# Altium PCB Pleiades_Frouf.PcbDoc (part 12 of 12)
Units mil, origin at the board's own origin, x right, y up, seen from the top; angles counter-clockwise.
Board outline 12244.09 x 4515.28 mil, 12 copper layers (TOP, GND1, IN1, GND2, POW1, GND3, POW2, GND4, GND5, IN2, GND6, BOT), stack 63.546 mil thick; 1442 components, 702 nets, 4419 pads, 1756 vias.
Unrouted connection lines stored in the file: 1088.
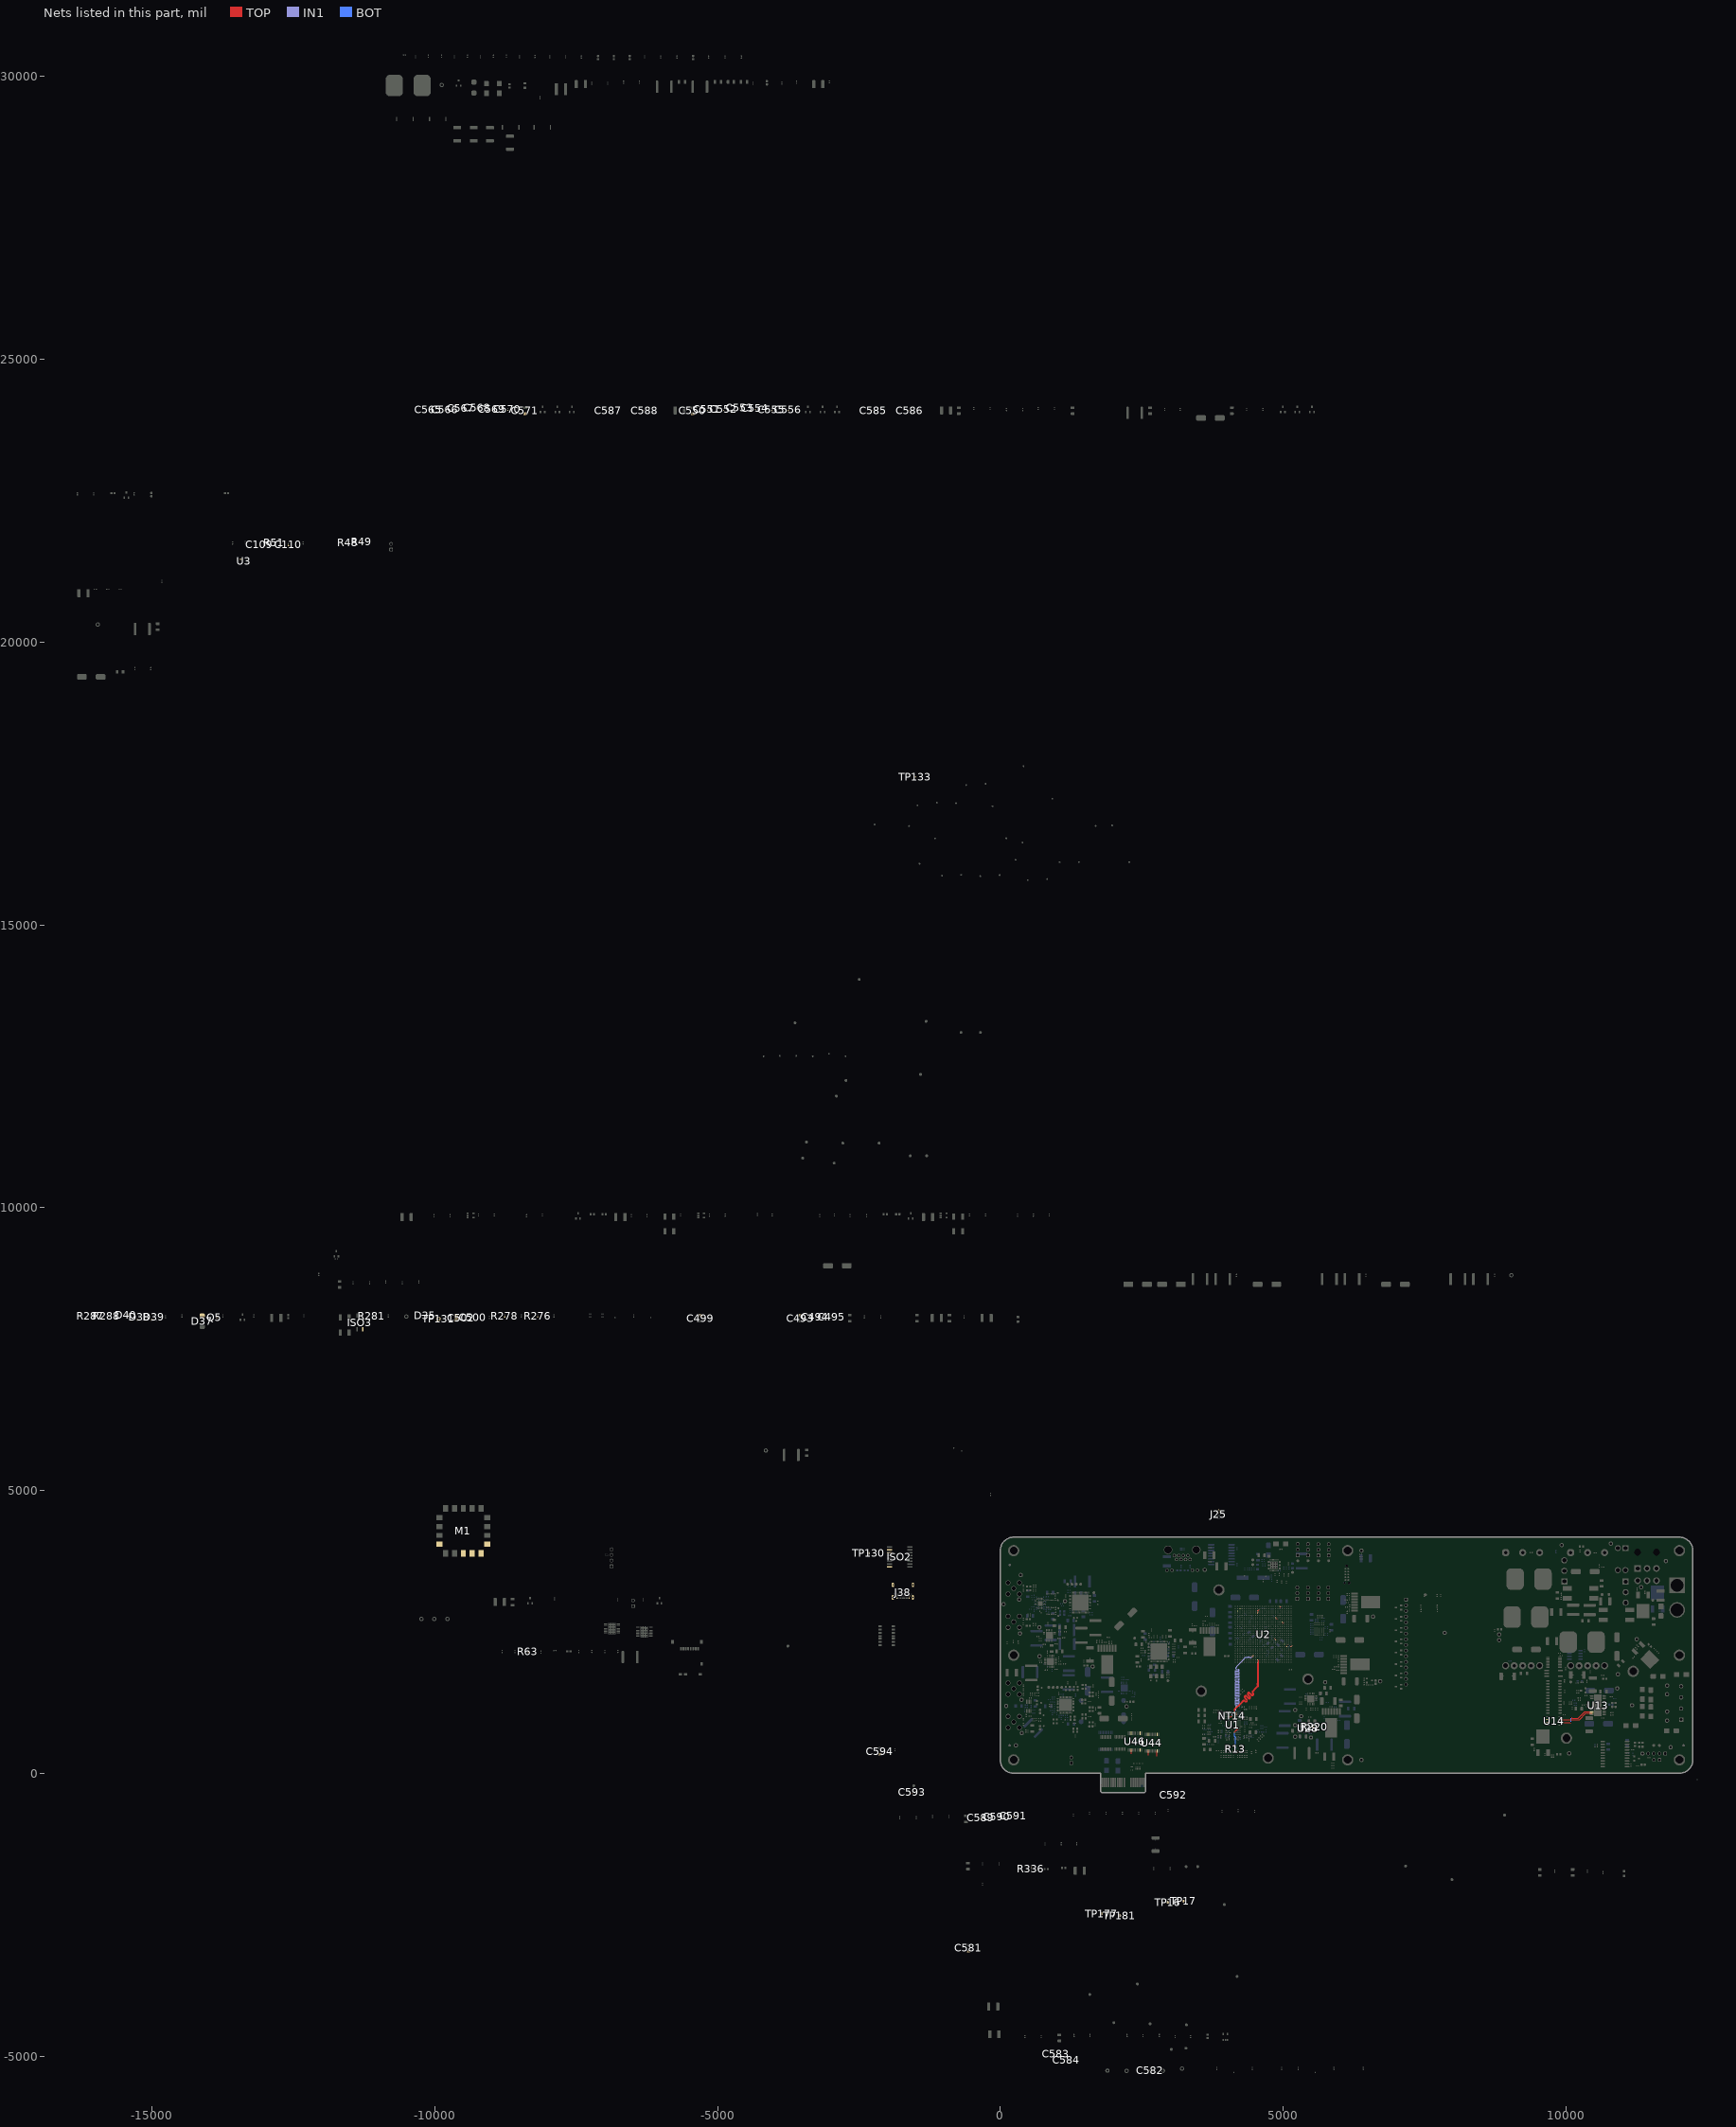
[diagram p22: the nets of this part, all layers, seen from the top]

## Via types
v1: diameter 12/18/18/18/18/18/18/18/18/18/18/12 (per signal layer), hole 6, TOP to BOT, 1113 vias
v2: diameter 20, hole 10, TOP to BOT, 363 vias
v3: diameter 19.68, hole 7.87, TOP to BOT, 110 vias
v4: diameter 25, hole 12, TOP to BOT, 67 vias
v5: diameter 40, hole 20, TOP to BOT, 48 vias
v6: diameter 22, hole 12, TOP to BOT, 27 vias
v7: diameter 12, hole 6, TOP to BOT, 19 vias
v8: diameter 19.68, hole 11.81, TOP to BOT, 9 vias

## Nets (pads, with @x,y where several pads share a name; then routed paths per layer and width w, separated by ;. In a path a pad name is that pad's centre, name@x,y a point inside that pad or via, vN(x,y) a via of type N, cw(c..) or ccw(c..) an arc to the next point about the centre after c; other vN are vias at no path point) (continued)
UDM: NT14.2 U1.D3 U2.J4 | length 3142.2
  TOP w8.89: U1.D3@4047.24,1000 4070.99,1000 4079.18,1008.19 4096.56,1008.19 v1(4097.16,1008.78) ; v1(4456.47,2063.51) 4457.07,2064.11 4457.07,2067.3 U2.J4@4472.44,2082.68
  IN1 w5.75: v1(4097.16,1008.78) 4097.16,1058.59 4163.38,1124.81 4163.38,1148.11 4163.38,1176.75 cw(c4176.25,1176.75) 4176.25,1189.62 4214.58,1189.62 ccw(c4214.58,1202.5) 4214.58,1215.38 4158.9,1215.38 cw(c4158.9,1228.26) 4158.9,1241.13 4214.58,1241.13 ccw(c4214.58,1254.01) 4214.58,1266.89 4158.9,1266.89 cw(c4158.9,1279.76) 4158.9,1292.64 4214.58,1292.64 ccw(c4214.58,1305.52) 4214.58,1318.4 4158.9,1318.4 cw(c4158.9,1331.27) 4158.9,1344.15 4214.58,1344.15 ccw(c4214.58,1357.03) 4214.58,1369.91 4158.9,1369.91 cw(c4158.9,1382.78) 4158.9,1395.66 4214.58,1395.66 ccw(c4214.58,1408.54) 4214.58,1421.42 4158.9,1421.42 cw(c4158.9,1434.29) 4158.9,1447.17 4214.58,1447.17 ccw(c4214.58,1460.05) 4214.58,1472.92 4158.9,1472.92 cw(c4158.9,1485.8) 4158.9,1498.68 4214.58,1498.68 ccw(c4214.58,1511.56) 4214.58,1524.43 4158.9,1524.43 cw(c4158.9,1537.31) 4158.9,1550.19 4214.58,1550.19 ccw(c4214.58,1563.07) 4214.58,1575.94 4158.9,1575.94 cw(c4158.9,1588.82) 4158.9,1601.7 4214.58,1601.7 ccw(c4214.58,1614.57) 4214.58,1627.45 4158.9,1627.45 cw(c4158.9,1640.33) 4158.9,1653.21 4214.58,1653.21 ccw(c4214.58,1666.08) 4214.58,1678.96 4158.9,1678.96 cw(c4158.9,1691.84) 4158.9,1704.72 4214.58,1704.72 ccw(c4214.58,1717.59) 4214.58,1730.47 4158.9,1730.47 cw(c4158.9,1743.35) 4158.9,1756.22 4214.58,1756.22 ccw(c4214.58,1769.1) 4214.58,1781.98 4158.9,1781.98 cw(c4158.9,1794.86) 4158.9,1807.73 4210.33,1807.73 ccw(c4210.33,1820.61) 4210.33,1833.49 4176.25,1833.49 cw(c4176.25,1846.37) 4163.38,1846.37 4163.38,1864.08 4203.83,1904.53 4312.7,2013.41 4312.7,2028.29 4331.9,2047.48 4350.63,2047.48 4356.87,2053.72 4384.01,2053.72 4386.08,2055.79 4394.52,2055.79 4399.66,2050.65 4412.04,2050.65 4417.73,2044.96 4437.92,2044.96 v1(4456.47,2063.51)
UDQS_N: U1.C7 U2.L1 | length 1498.1
  TOP w7.01: U1.C7@4173.23,1031.5 4155.6,1049.12 4140.83,1063.9 4140.83,1135.45 4256.33,1250.95 4290.65,1285.27 cw(c4308.7,1267.23) 4326.75,1285.27 4335.81,1276.21 ccw(c4345.36,1285.76) 4354.91,1276.21 ccw(c4345.36,1285.76) 4354.91,1295.31 4319.93,1330.29 cw(c4337.98,1348.34) 4319.89,1366.34 4319.93,1366.38 cw(c4337.98,1348.34) 4356.03,1366.38 4391.01,1331.41 ccw(c4400.56,1340.96) 4410.11,1331.41 ccw(c4400.56,1340.96) 4410.11,1350.51 4375.13,1385.49 cw(c4393.18,1403.53) 4375.08,1421.53 4375.13,1421.58 cw(c4393.18,1403.53) 4411.23,1421.58 4446.2,1386.6 ccw(c4455.76,1396.15) 4465.31,1386.6 ccw(c4455.76,1396.15) 4465.31,1405.7 4456.28,1414.73 ; 4456.27,1414.74 cw(c4474.29,1432.82) 4456.29,1450.91 4521.5,1516.13 4554.53,1549.15 4554.53,1554.41 4554.53,1557.92 ccw(c4546.02,1557.92) 4546.02,1566.43 4544.87,1566.43 cw(c4544.87,1574.93) 4544.87,1583.44 4546.02,1583.44 ccw(c4546.02,1591.95) 4554.53,1591.95 4554.53,1633.44 4554.53,1955.11 4553.23,1956.41 4553.23,1962.52 U2.L1@4551.18,1964.57
UDQS_P: U1.B7 U2.L2 | length 1499.2
  TOP w7.01: U1.B7@4173.23,1062.99 4171.97,1061.73 4159.98,1061.73 4152.84,1068.87 4152.84,1130.47 4264.82,1242.45 4299.15,1276.78 cw(c4308.7,1267.23) 4318.25,1276.78 4327.32,1267.71 ccw(c4345.36,1285.76) 4363.36,1267.67 4363.41,1267.71 ccw(c4345.36,1285.76) 4363.41,1303.81 4328.43,1338.79 cw(c4337.98,1348.34) 4328.43,1357.89 cw(c4337.98,1348.34) 4347.53,1357.89 4382.51,1322.91 ccw(c4400.56,1340.96) 4418.56,1322.86 4418.61,1322.91 ccw(c4400.56,1340.96) 4418.61,1359 4383.63,1393.98 cw(c4393.18,1403.53) 4383.63,1413.08 cw(c4393.18,1403.53) 4402.73,1413.08 4437.71,1378.11 ccw(c4455.76,1396.15) 4473.76,1378.06 4473.8,1378.11 ccw(c4455.76,1396.15) 4473.8,1414.2 4464.74,1423.27 cw(c4474.29,1432.82) 4464.74,1442.37 4530,1507.63 4566.55,1544.18 4566.55,1997.71 4562.36,2001.89 4553.23,2001.89 U2.L2@4551.18,2003.94
USB_CTS: M1.3 U2.AC9
USB_GND: C493.2 C494.2 C495.2 C499.2 C500.2 C502.1 D35.4 D37.2 D38.1 D39.1 D40.2 ISO2.2 ISO2.8 ISO3.2 J38.A1 J38.A12 J38.B1 J38.B12 J38.SH1 J38.SH2 J38.SH3 J38.SH4 R287.2 R288.2 TP131.1
USB_RTS: M1.4 U2.AF8 | length 25.3
  TOP w6: U2.AF8@5141.73,2240.16 5159.34,2257.76 v1(5159.34,2258.15)
USB_RX: M1.5 U2.AD8 | length 30.4
  TOP w6: U2.AD8@5062.99,2240.16 5064.77,2240.16 v1(5085,2260.38)
USB_TX: M1.6 U2.W11 | length 29.7
  TOP w6: v1(4846.22,2379.74) 4846.22,2378.96 4866.14,2359.04 U2.W11@4866.14,2358.27
USBVDDO_14: C500.1 ISO2.3 R276.1 R278.1 TP130.1
USM0_12: U13.13 U14.7 | length 606.1
  TOP w8: U14.7@9896.3,950 10241.49,950 10351.62,1060.14 U13.13@10456.79,1060.14
USM0_ISO: U2.L24 U14.2 | length 32.5
  TOP w6: U2.L24@4551.18,2870.08 4569.92,2888.82 v1(4569.92,2894.8)
USM1_12: U13.12 U14.6 | length 701.8
  TOP w8: U14.6@9896.3,900 v1(10090.08,900) ; v1(10090.08,985) 10107.73,967.36 10219.34,967.36 10337.7,1085.73 U13.12@10456.79,1085.73
  BOT w8: v1(10090.08,900) v1(10090.08,985)
USM1_ISO: U2.L23 U14.3 | length 24.2
  TOP w6: U2.L23@4551.18,2830.71 4551.18,2831.33 4563.5,2843.65 v1(4563.5,2849.76)
VBATT: C109.1 R48.1 R51.1 TP16.1 U2.W21 | length 28.6
  TOP w6: U2.W21@4866.14,2751.97 4866.14,2750.04 v1(4885,2731.18)
VBUS_DETECT_14: M1.18 Q5.3 R281.2 TP133.1
VDD1_PCI_1: C550.1 C551.1 C552.1 C553.1 C554.1 C555.1 C556.1 TP177.1 U44.3 U44.9 | length 161.6
  TOP w6: 2616.02,321.09 U44.3@2616.02,391.55 ; 2769.57,300.43 U44.9@2769.57,391.55
VDD1_PCI_2: C581.1 C582.1 C583.1 C584.1 C585.1 C586.1 C587.1 U46.3 U46.9 | length 70.1
  TOP w6: 2315.6,342.25 U46.3@2315.6,412.36
VDD2_PCI_1: C565.1 C566.1 C567.1 C568.1 C569.1 C570.1 C571.1 TP181.1 U44.12 U44.18
VDD2_PCI_2: C588.1 C589.1 C590.1 C591.1 C592.1 C593.1 C594.1 R336.2 U46.12 U46.18
VFS: C110.1 R49.1 TP17.1 U2.AB19 | length 28.3
  TOP w6: U2.AB19@4984.25,2673.23 4986.77,2673.23 v1(5005,2655)
VTT_PG: R220.2 U2.AA26 U28.9 | length 81.2
  TOP w6: U2.AA26@4944.88,2948.82 4963.7,2930 v1(4964.33,2930) ; U28.9@5490.11,817.23 5491.84,818.96 5538.63,818.96 R220.2@5541.98,822.3
WDT_IN: U2.B24 U3.4
WDTO: J25.2 R63.1 U2.C25
ZQ_6: R13.2 U1.L8 | length 371.9
  TOP w6: v1(4138.44,719.8) 4138.44,732.86 4171.23,765.65 4178.98,765.65 4190.98,777.66 4202.86,777.66 U1.L8@4204.72,779.53
  BOT w6: v1(4138.44,719.8) 4138.44,655.34 4156.4,637.38 4156.4,499.46 4154.46,497.52 R13.2@4154.46,454.84
pads on no net: CX1.1 CX1.2 CX2.1 CX2.2 CX3.1 CX3.2 CX4.1 CX4.2 CX5.1 CX5.2 CX6.1 CX6.2 CX7.1 CX7.2 CX8.1 CX8.2 CX9.1 CX9.2 CX10.1 CX10.2 CX11.1 CX11.2 CX12.1 CX12.2 CX13.1 CX13.2 CX14.1 CX14.2 CX15.1 CX15.2 CX16.1 CX16.2 CX17.1 CX17.2 CX18.1 CX18.2 CX19.1 CX19.2 D35.2 D57.2 DX1.1 DX1.2 DX2.1 DX2.2 DX3.1 DX3.2 DX4.1 DX4.2 DX4.3 F1. FBX1.1 FBX1.2 FBX2.1 FBX2.2 FD1.1 FD2.1 FD3.1 FD4.1 FD5.1 FD6.1 J1.5 J1.A J1.B J1.C J10.- J26.0 J27. J36.SM1 J36.SM2 J36.SM3 J36.SM4 J38. J38.A2 J38.A3 J38.A8 J38.A10 J38.A11 J38.B2 J38.B3 J38.B8 J38.B10 J38.B11 J39.0 J39.9 J39.10 J40. J40.B10 J40.B12 L13. L14. LX1.1 LX1.2 LX2.1 LX2.2 MT1.1 MT6.1 MT7.1 MT8.1 NT30.2 NT31.2 NT32.2 NT33.2 NT34.2 NT35.2 NT36.2 NT37.2 RX1.1 RX1.2 RX2.1 RX2.2 RX3.1 RX3.2 RX4.1 RX4.2 RX5.1 RX5.2 RX6.1 RX6.2 RX7.1 RX7.2 RX8.1 RX8.2 RX9.1 RX9.2 RX10.1 RX10.2 RX11.1 RX11.2 RX12.1 RX12.2 RX13.1 RX13.2 RX14.1 RX14.2 RX15.1 RX15.2 RX16.1 RX16.2 RX17.1 RX17.2 RX18.1 RX18.2 RX19.1 RX19.2 RX20.1 RX20.2 RX21.1 RX21.2 RX22.1 RX22.2 RX23.1 RX23.2 RX24.1 RX24.2 RX25.1 RX25.2 SW1.3 SW2.2 SW3.2 SW4.1 SW5.2 T1.4 T1.5 T1.12 T1.13 TPX1.1 TPX2.1 TPX3.1 TPX4.1 U1.J1 U1.J9 U1.L1 U1.L9 U1.M7 U2.A5 U2.A6 U2.A7 U2.A12 U2.A21 U2.A22 U2.A23 U2.AA1 U2.AA2 U2.AA3 U2.AA4 U2.AA5 U2.AA7 U2.AA8 U2.AA9 U2.AA12 U2.AA14 U2.AA15 U2.AA18 U2.AA19 U2.AA22 U2.AB1 U2.AB4 U2.AB5 U2.AB6 U2.AB7 U2.AB8 U2.AB9 U2.AB10 U2.AB15 U2.AB17 U2.AB18 U2.AB26 U2.AC1 U2.AC2 U2.AC3 U2.AC4 U2.AC5 U2.AC7 U2.AC11 U2.AC12 U2.AC14 U2.AC15 U2.AC17 U2.AC19 U2.AC20 U2.AC22 U2.AC24 U2.AC25 U2.AC26 U2.AD1 U2.AD3 U2.AD4 U2.AD5 U2.AD6 U2.AD7 U2.AD9 U2.AD14 U2.AD15 U2.AD21 U2.AD24 U2.AD26 U2.AE1 U2.AE2 U2.AE3 U2.AE5 U2.AE13 U2.AE15 U2.AE19 U2.AE21 U2.AE23 U2.AF2 U2.AF4 U2.AF5 U2.AF6 U2.AF13 U2.AF14 U2.AF15 U2.AF16 U2.AF19 U2.AF20 U2.AF21 U2.AF24 U2.B6 U2.B12 U2.B22 U2.B23 U2.B25 U2.B26 U2.C5 U2.C7 U2.C12 U2.C19 U2.C21 U2.C24 U2.C26 U2.D12 U2.D13 U2.D15 U2.D22 U2.D23 U2.D24 U2.D26 U2.E10 U2.E12 U2.E14 U2.E18 U2.E23 U2.E24 U2.E25 U2.E26 U2.F7 U2.F8 U2.F10 U2.F12 U2.F13 U2.F14 U2.F18 U2.F22 U2.F24 U2.F26 U2.G8 U2.G9 U2.G11 U2.G13 U2.G17 U2.G19 U2.G20 U2.G21 U2.G22 U2.G23 U2.G24 U2.G25 U2.G26 U2.H9 U2.H10 U2.H12 U2.H13 U2.H16 U2.H18 U2.H19 U2.H20 U2.H21 U2.H22 U2.H24 U2.H26 U2.J11 U2.J12 U2.J13 U2.J16 U2.J17 U2.J20 U2.J22 U2.J23 U2.J24 U2.J25 U2.J26 U2.K12 U2.K14 U2.K15 U2.K18 U2.K20 U2.K21 U2.K22 U2.K24 U2.K26 U2.L3 U2.L4 U2.L6 U2.L7 U2.L18 U2.L20 U2.L21 U2.L25 U2.L26 U2.M4 U2.M6 U2.M8 U2.M9 U2.M10 U2.M18 U2.M19 U2.M24 U2.M26 U2.N3 U2.N4 U2.N5 U2.N8 U2.N9 U2.N17 U2.N18 U2.N22 U2.N23 U2.N25 U2.N26 U2.P1 U2.P3 U2.P5 U2.P8 U2.P10 U2.P24 U2.R9 U2.R10 U2.T1 U2.T3 U2.T9 U2.T10 U2.T22 U2.T23 U2.U1 U2.U2 U2.U4 U2.U5 U2.U7 U2.U8 U2.U9 U2.U12 U2.U13 U2.U15 U2.U19 U2.V1 U2.V3 U2.V4 U2.V5 U2.V6 U2.V7 U2.V8 U2.V10 U2.V11 U2.V12 U2.V13 U2.V14 U2.V15 U2.V17 U2.V20 U2.V22 U2.W1 U2.W2 U2.W3 U2.W5 U2.W7 U2.W8 U2.W9 U2.W10 U2.W12 U2.W14 U2.W16 U2.W22 U2.Y1 U2.Y3 U2.Y5 U2.Y6 U2.Y8 U2.Y9 U2.Y10 U2.Y18 U2.Y20 U2.Y21 U2.Y22 U4.6 U4.7 U4.9 U4.10 U4.13 U4.33 U4.49 U4.50 U4.51 U4.52 U4.53 U4.54 U4.55 U4.56 U4.57 U4.58 U4.59 U4.60 U4.61 U4.62 U4.63 U4.64 U5.A4 U5.C3 U5.C4 U5.D3 U5.D4 U5.E3 U5.E4 U5.F2 U5.F3 U5.F4 U5.G2 U8.22 U18.1 U19.1 U20.1 U40.15 U41.1 U41.2 U41.37 U41.38 U42.14 U42.15 U45.7 U46.5 U46.6 U47.6 U47.12 U47.15 Y1.1
copper on no net: | length 1676.8
  TOP w4.33: v1(4138.22,2414.61) 4155.19,2397.64 4157.48,2397.64 ; v1(4175.08,2418.27) 4176.22,2418.27 4196.85,2397.64 ; 4236.22,2397.64 4236.22,2398.73 v1(4255.84,2418.35) ; 4275.59,2397.64 4292.95,2415 v1(4293.62,2415) ; v1(4293.62,2340.67) 4293.62,2340.24 4314.96,2318.9 ; 4354.33,2318.9 4356.8,2318.9 v1(4374.44,2336.54) ; 4393.7,2594.49 4393.7,2597.64 v1(4411.06,2615) ; 4433.07,2555.12 4433.07,2558.43 v1(4454.49,2579.84)
  TOP w6: v7(88.48,464.09) 102.37,464.09 130.4,492.13 165.35,492.13 ; v7(88.48,3674.09) 112.66,3674.09 120.11,3681.54 165.35,3681.54 ; 231.29,2311.4 231.29,2199.54 236.22,2194.61 236.22,2166.61 ; 2151.57,-161.42 2151.57,-72.7 v7(2151.57,-67.74) ; 2309.06,-161.42 2309.06,-72.7 v7(2309.05,-67.74) ; 4084.87,2178.82 4140.08,2178.82 4157.48,2161.42 ; 4101.61,2122.98 4102.55,2122.05 4157.48,2122.05 ; v1(4140.08,2218.01) 4157.3,2200.79 4157.48,2200.79 ; 4196.85,2161.42 4214.25,2178.82 v1(4218.82,2178.82) ; 4236.22,2122.05 4236.22,2122.94 v1(4255.84,2142.56) ; 4236.22,2200.79 4236.22,2201.44 v1(4255.84,2221.06) ; 4236.22,2673.23 4239.39,2673.23 4248.33,2682.16 4255.69,2682.16 v1(4256.84,2683.31) ; 4314.96,2633.86 4332.6,2651.5 v1(4336.3,2651.5) ; 4354.33,2200.79 4374.04,2220.49 v1(4374.44,2220.49) ; 4393.7,2240.16 4395.37,2240.16 v1(4415.59,2260.38) ; 4472.44,2594.49 4472.44,2595.9 v1(4487.51,2610.97) ; v1(4493.23,2633.86) 4511.81,2633.86 ; 4551.18,2633.86 4569.92,2615.12 v1(4569.92,2610.97) ; 4590.55,2633.86 4590.55,2631.16 v1(4606.21,2615.51) ; 4590.55,2673.23 4606.63,2657.15 v1@4606.63,2651.5 ; 4629.92,2594.49 4644.57,2579.84 v1(4649.63,2579.84) ; 4629.92,2633.86 4648.16,2615.62 v1(4648.16,2615.51) ; 4629.92,2791.34 4631.06,2791.34 v1(4653.46,2813.74) ; 4629.92,2830.71 4648.98,2849.76 v1@4649.63,2849.76 ; 4748.03,2791.34 v1(4765,2774.37) v1@4765,2770.17 ; 4748.03,2830.71 4768.74,2810 v1(4769.8,2810) ; 4826.77,2594.49 4828.23,2594.49 v1(4850,2572.72) ; v1(5001.22,2849.76) 5003.31,2849.76 5023.62,2870.08 ; v1@5045,2890 5045,2888.07 5062.99,2870.08 ; 5062.99,2948.82 5085,2970.83 v1(5085,2975)
  BOT w6: v7(88.48,494.09) 115.4,494.09 117.37,492.13 165.35,492.13 ; v7(88.48,3704.09) 105.11,3704.09 127.66,3681.54 165.35,3681.54
  other v1: 2264.42,998.53 4606.63,2654.49 4653.46,2850.82 5045,2889.04
  other v2: 12007.87,156.22 11967.87,166.94 12047.87,166.94 11938.59,196.22 12077.16,196.22 11927.87,236.22 12087.87,236.22 11938.84,276.33 12077.16,276.22 11967.87,305.5 12047.87,305.5 12007.87,316.22 12007.87,2006.61 11967.87,2017.33 12047.87,2017.33 11938.59,2046.61 12077.16,2046.61 11927.87,2086.61 12087.87,2086.61 11938.84,2126.72 12077.16,2126.61 11967.87,2155.9 12047.87,2155.9 12007.87,2166.61 236.22,3857.01 12007.87,3857.01 196.22,3867.73 276.22,3867.73 11967.87,3867.73 12047.87,3867.73 166.94,3897.01 305.5,3897.01 11938.59,3897.01 12077.16,3897.01 156.22,3937.01 316.22,3937.01 11927.87,3937.01 12087.87,3937.01 167.19,3977.12 305.5,3977.01 11938.84,3977.12 12077.16,3977.01 196.22,4006.29 276.22,4006.29 11967.87,4006.29 12047.87,4006.29 236.22,4017.01 12007.87,4017.01

## Polygon pours and split planes (outlines as drawn)
+5V0A on POW1 "+5V0A_L05_P019" (solid, pour order 19): 582.32,3118.65 681.38,3019.6 681.38,3014.15 740.35,3014.15 1030.6,2723.91 1030.6,2456.16 1140.12,2346.63 1140.12,2099.23 973.39,2099.23 896.84,2175.77 847.61,2175.77 641.79,966.28 293.18,1004.92 302.2,2937.63 472.01,3107.43
-6V on POW1 "-6V_L05_P018" (solid, pour order 18): 1091.44,1558.92 1092.57,1557.79 1092.57,1396.33 1285.29,1396.33 1303.73,1377.89 1303.73,1326.04 1413.17,1216.6 1419.14,1222.56 1483.3,1222.56 1483.3,1241.84 1612.52,1371.06 1619.52,1364.06 1704.67,1364.06 1704.67,1132.92 1717.98,1119.61 1816.5,1119.61 1816.5,1315.01 1870.28,1368.79 2053.77,1368.79 2053.77,1186.76 2130.56,1109.97 2282.42,1109.97 2352.44,1179.99 2206.56,1325.88 2206.56,1488.71 2110.22,1585.05 2108.96,1583.78 1312.23,1583.78
+3V3A on POW1 "+3V3A_L05_P017" (solid, pour order 17): 1162.94,3485 1160.95,3483.01 1160.95,3295.71 1073.03,3295.71 980,3202.69 980,3078.46 973.84,3078.46 908,3012.61 928,2992.61 928,2944.06 933.54,2944.06 1153.44,2724.17 1215.94,2724.17 1215.94,2562.01 1104.94,2451.01 1104.94,2168.86 1250.19,2023.61 1256.1,2023.61 1256.1,1934.28 1258.36,1932.02 1223.16,1896.82 978.41,1896.82 978.41,2030.85 833.19,2176.07 810.84,2153.72 552.89,2153.72 552.89,2108.48 398,1953.59 398,1790 435,1790 631.5,1593.5 631.5,1570.57 657.49,1570.57 707.5,1520.56 703,1516.06 703,1021.45 723.79,1000.66 1077.5,1000.66 1077.5,1095.1 1125.63,1143.23 1070,1198.86 1070,1465.66 987.7,1465.66 950.85,1502.51 1066.57,1618.23 1066.57,1664.76 1288.61,1664.76 1455.63,1831.78 1528.32,1831.78 1528.32,2130.24 1377.61,2280.95 1377.61,3485
+1V2D on POW1 "+1V2D_L05_P015" (solid, pour order 15): 3211.71,1581.42 3349.95,1443.18 6855.36,1443.18 6855.36,3899.64 6600,4155 6595,4150 3904,4150 3904,3476.31 3869.6,3510.72 3211.71,3510.72
+VDDR on POW1 "+VDDR_L05_P001" (solid, remove dead copper, pour order 1): 4666.31,1922.85 4568.34,2262.81 4118.11,2252.5 4109.52,1922.85 3551.79,1566.91 3336.46,1564.15 3220,55 4995,55 5205,55 5377.46,1438.13 4802.18,1922.85
+3V3_PCI on POW1 "+3V3_PCI_L05_P013" (solid, pour order 13): 1217.95,687.78 1118.31,-261.6 3220,-261.6 3155,-196.6 3155,710.4
+24V_MOT on POW1 "+24V_MOT_L05_P004" (solid, pour order 4): 12365,635 12365,1912.94 11814.31,1912.94 11736.01,1991.24 11733.38,2161.14 11438.8,2444.89 11132.83,2451.14 11002.4,2574.4 9822.85,2585.82 9728.37,2517.29 9722.14,2170.48 9781.35,2111.28 9781.35,566.18 9876.8,446.79 10093.48,435.27 10293.2,635 10528.71,635 10574.36,686.29 11122.51,686.29 11173.8,635
+5V_CAN on POW1 "+5V_CAN_L05_P007" (solid, pour order 7): 12340,570 12333.65,576.35 11158.86,576.35 11099.92,628.11 10930,628.11 10930,-115 12340,-115
+3V3D on POW2 "+3V3D_L07_P014" (solid, pour order 14): 2312.64,3213.89 5984.38,3213.89 6084.98,2631.26 6849.08,2612.4 6849.08,3215.94 9016,3213.89 9016,60.85 2420.27,60.85
+1V8D on POW2 "TGA" (solid, pour order 22): 2027.97,3218.53 5893.8,3218.53 6106.66,2609.59 6836.9,2609.59 6836.9,3536.76 3902.5,3536.76 2818.3,3527.38 2027.97,3673.16 951.31,3645 951.31,367.02 988.66,329.67 1975.16,329.67
+5V_MOT on POW2 "+5V_MOT_L07_P010" (solid, pour order 10): 12350,1909.09 11828.11,1909.09 11744.21,1992.99 11729.99,2163.32 11477.26,2403.89 11185.17,2406.59 11006.95,2579.58 9827.1,2582.28 9730.99,2503.38 9725.08,2171.09 9790,2106.18 9790,550.72 9889.6,461.89 10091.13,461.89 10302.54,634.35 10536.43,635 10586.33,682.61 11116.92,676.01 11185.17,634.63 12350,635
+5V_CAN on POW2 "+5V_CAN_L07_P009" (solid, pour order 9): 12333.65,576.35 12325.77,568.48 11158.86,576.35 11099.92,628.11 10930,628.11 10930,-60 10930,-70 12333.65,-70
+VTT on POW2 "+VTT_L07_P003" (solid, pour order 3): 3443.65,1264.83 3443.65,45 3508.68,-50 5284.55,-50 5284.55,1228.85 4338.88,1587.36
GND on GND1 "NONET_L01_P-001" (solid, pour order 0): 0,0 1118.31,0 1191.21,744.37 3190.34,746.67 3418.9,0 10868.61,0 10868.61,678.41 10587.34,689.93 10528.71,644.28 10288.29,644.28 10109.58,465.57 9865.87,456.2 9778.18,566.18 9778.18,2092.02 9715.15,2162.5 9719.02,2511.35 9778.18,2589.75 10414.71,2580.06 10414.73,2589.75 10414.89,2657.1 10418.75,4260 0,4173.23
PCI_GND on GND1 "PCI_GND_L02_P012" (solid, pour order 12): 1239.05,580 1239.05,402.87 1115,-420 3420,-420 3115,-115 3115,651.27 1290.46,651.27
GND_MOT on GND1 "GND_MOT_L02_P006" (solid, pour order 6): 9781.35,2135.98 9756.16,2166.87 9753.34,2491.66 9819.43,2579.98 11002.53,2579.46 11137.31,2446.45 11432.81,2447.97 11738.69,2156.4 11756.55,1975.26 11855.05,1912.16 12329.71,1912.16 12329.71,1910.42 12329.71,629.28 11180.51,629.28 11122.51,687.28 10579.47,687.28 10521.48,629.28 10273.66,629.28 10106.4,447.71 9874.36,456.2 9781.35,535.54
GND_RAW on GND1 "GND_RAW_L02_P011" (solid, pour order 11): 12370,4280 12370,1919.96 11817.09,1919.96 11809.59,1912.45 11756.08,1965.96 11756.08,2139.01 11489.74,2405.35 11182.24,2405.35 11182.24,2815 11182.24,2939.58 11090.05,2940.48 10953.27,2941.82 10950.46,3469.25 10808.25,3467.74 10809.49,3604.94 10808.25,4260
GND_CAN on GND1 "GND_CAN_L02_P008" (solid, pour order 8): 10880,-90 12410,-70 12410,512.16 12355,635 12329.71,635 11188.1,620.7 11121.16,687.64 10865.92,687.64
GND_MOT on GND3 "GND_MOT_L06_P005" (solid, pour order 5): 8980,1895 8905,1820 8879.67,-32.97 10430,-30 10430,857 10862.02,857 11022.22,696.26 12300,696.26 12440,730.89 12440,1913.41
GND on GND5 "GND_L09_P002" (solid, pour order 2): 3695,2340 3760,2275 3760,405 4930,405 4935,410 4830,515 4830,2410
+1V8D on BOT "+1V8D_L12_P016" (solid, pour order 16): 3227.32,3361.75 3227.32,2114.49 4087.09,1909.37 6521.53,1852.02 6925.48,3552.24 6327.73,4150 3915.67,4150 3915,4150.67 3915,3504.5 3248.96,3504.5 3242.74,3510.72

## Keep-outs
Keep-Out Layer:
  lines w98.43: 0,3937.01 cw(c236.22,3937.01) 236.22,4173.23 12007.87,4173.23 cw(c12007.87,3937.01) 12244.09,3937.01 ; 0,3949.51 0,236.22 ccw(c236.22,236.22) 236.22,0 1619.88,0 1664.88,45 ; 2692.8,0 3179.13,0 9064.96,0 12007.87,0 ccw(c12007.87,236.22) 12244.09,236.22 12244.09,3949.51
  lines w125: 2820,4110 2820,3485 3915,3485 3915,4160.67 ; 9788.57,1039.24 9790,1040.67 9790,2066.41 9790,2091.67 9790,2175 9754.7,2210.3 9754.7,2484.7 9850,2580 11005,2580 11112.98,2472.02 11420.43,2472.02 11737.34,2155.12 11737.34,1984.7 11809.59,1912.45 12181.08,1912.45 ; 9790,1023.43 9790,971.12 ; 10865.92,0 10865.92,687.64 ; 12246.78,635 11769.32,635 11173.8,635 11121.16,687.64 10865.92,687.64 ; 9790,971.12 9790,971.12 ; 9790,971.12 9790,672.9 9790,525.65 9861.02,454.63 10098.64,454.63 10288.29,644.28 10535.75,644.28 10579.11,687.64 10865.92,687.64

## Silkscreen, mask and mechanical layers (free items; w line width, h text height)
Top Overlay:
  drawing of 14 lines, arcs and shapes, not listed
  text ".Project_Name" at 6688.12,825.04 h80
  text "E" at 7554.74,575.37 h240
  text "2024 / Revision .Project_Revision" at 6656.93,560.04 h120
  text "X" at 6433.48,558.89 h240
  text "o" at 7304.66,482.38 h360
  text ".Project_Designer2 / .Project_Designer1 / www.raesangur.com" at 6656.93,304.93 h40
  text ".Project_Designer4 / .Project_Designer3 / www.github.com/freder202" at 6656.93,56.9 h40
Board Outline:
  lines w5: 1700,0 236.22,0 cw(c236.22,236.22) 0,236.22 0,3937.01 cw(c236.22,3937.01) 236.22,4173.23 12007.87,4173.23 cw(c12007.87,3937.01) 12244.09,3937.01 12244.1,236.22 cw(c12007.87,236.22) 12007.87,0 2650,0
Title:
  drawing of 47 lines, arcs and shapes, not listed
  text "1" at -3661.06,9684.09 h100
  text "2" at -880.4,9684.09 h100
  text "3" at 1898.94,9684.09 h100
  text "4" at 4695.61,9684.09 h100
  text "5" at 7478.95,9684.09 h100
  text "6" at 10269.6,9684.09 h100
  text "7" at 13069.6,9684.09 h100
  text "8" at 15849.6,9684.09 h100
  text "A" at -4912.4,7826.09 h100
  text "A" at 17087.6,7826.09 h100
  text "B" at -4912.4,3896.09 h100
  text "B" at 17087.6,3896.09 h100
  text "C" at -4912.4,-23.91 h100
  text "C" at 17087.6,-23.91 h100
  text "D" at -4912.4,-3953.91 h100
  text "D" at 17087.6,-3953.91 h100
  text "ALL DIMENSIONS ARE IN THOUSANDS OF INCHES (MILS)" at 14097.6,-4275.91 h60
  text "TITLE:" at 14012.6,-4430.91 h45
  text "PASCAL-EMMANUEL LACHANCE" at 12497.6,-4445.91 h60
  text "FREDERIC BILODEAU" at 12697.76,-4570.91 h60
  text "PLEIADES" at 14562.6,-4680.91 h150
  text "DATE:" at 12512.6,-5030.91 h45
  text "PART NO.:" at 14012.6,-5030.91 h45
  text "REV:" at 16112.6,-5030.91 h45
  text ".Project_Revision" at 16382.6,-5140.91 h60
  text ".PRINT_DATE" at 12562.6,-5150.91 h70
  text "FILE NAME:" at 12512.6,-5330.91 h45
  text "DWG NO:" at 14012.6,-5330.91 h45
  text "SCALE:" at 16112.6,-5330.91 h45
  text ".PCB_FILE_NAME_NO_PATH" at 12562.6,-5450.91 h70
  text "1" at -3661.06,-5705.91 h100
  text "2" at -880.4,-5705.91 h100
  text "3" at 1898.94,-5705.91 h100
  text "4" at 4695.61,-5705.91 h100
  text "5" at 7478.95,-5705.91 h100
  text "6" at 10269.6,-5705.91 h100
  text "7" at 13069.6,-5705.91 h100
  text "8" at 15849.6,-5705.91 h100
Manufacturing Notes:
  circle w10: c3100.39,-757.87 r101.33
  circle w10: c2165.35,-167.32 r450
  lines w10: 1341.5,-1323.71 1341.5,-1538.98 1361.35,-1593.53 ; 1361.69,-1594.47 ccw(c1381.89,-1574.27) 1402.09,-1594.47 ; 1402.43,-1593.53 1422.29,-1538.98 ; 1422.29,-1243.7 1422.29,-1538.98 ; 1429.13,-1520.18 1422.29,-1538.98 ; 1435.97,-1501.39 1442.81,-1482.6 ; 1449.65,-1463.8 1456.49,-1445.01 ; 1463.33,-1426.21 1470.17,-1407.42 ; 1477.01,-1388.63 1483.85,-1369.83 ; 1490.69,-1351.04 1497.53,-1332.24 ; 1504.37,-1313.45 1511.21,-1294.66 ; 2466.54,-501.67 2470.18,-501.67 2726.38,-757.87 2992.13,-757.87 ; 1075.75,-1184.65 2837.56,-1184.65 2837.56,-1853.94 1075.75,-1853.94 1075.75,-1184.65 ; 1075.75,-1184.65 1282.44,-1184.65 1282.44,-977.95 1075.75,-977.95 1075.75,-1184.65
  text "SUL PANEL" at -2037.24,4261.97 h60
  text "A" at 3067.07,-807.86 h100
  text "A" at 1140.85,-1136.2 h100
  text "CHAMFER EDGES MUST BE FREE" at 1760.88,-1716.49 h40
  text "OF CUTTING BURRS." at 1760.88,-1779.04 h40
  text "1.6mm +/- 10%" at 1135.31,-1798.72 h40

## Dimensions
0,0 to 1793.31,-339.96 on Dimensions
2248.03,11.81 to 0,236.22 on Dimensions
236.22,4173.23 to 236.22,0 on Dimensions
0,3937.01 to 12244.09,3937.01 on Dimensions
1341.5,-1538.98 to 1422.29,-1538.98 on Manufacturing Notes
1422.29,-1538.98 to 1511.21,-1294.66 on Manufacturing Notes

## Text inside footprints (layer, text, board x,y; h text height)
H1: GND4 "8" at 11592.72,49.8 h50; IN1 "3" at 11342.72,49.8 h50; BOT "12" at 11792.72,49.8 h50; TOP "1" at 11242.72,49.8 h50; GND1 "2" at 11292.72,49.8 h50; GND2 "4" at 11392.72,49.8 h50; POW1 "5" at 11442.72,49.8 h50; GND3 "6" at 11492.72,49.8 h50; POW2 "7" at 11542.72,49.8 h50; GND5 "9" at 11642.72,49.8 h50; IN2 "10" at 11692.72,49.8 h50; GND6 "11" at 11742.72,49.8 h50
HEAT1: Top Overlay "M3" at 4703.1,401.9 h40; Top Overlay "M3" at 3522,1583 h40; Bottom Overlay "M3" at 4769.1,401.9 h40; Bottom Overlay "M3" at 3588,1583 h40; Top Assembly "M3" at 4703.1,401.9 h40; Top Assembly "M3" at 3522,1583 h40
HEAT2: Top Overlay "M3" at 3832,3373 h40; Top Overlay "M3" at 5406.8,1798.2 h40; Bottom Overlay "M3" at 3898,3373 h40; Bottom Overlay "M3" at 5472.8,1798.2 h40; Top Assembly "M3" at 3832,3373 h40; Top Assembly "M3" at 5406.8,1798.2 h40
HEAT3: Top Overlay "M3" at 9876.8,587 h40 r90; Top Overlay "M3" at 11057.9,1768.1 h40 r90; Bottom Overlay "M3" at 9876.8,653 h40 r90; Bottom Overlay "M3" at 11057.9,1834.1 h40 r90; Top Assembly "M3" at 9876.8,587 h40 r90; Top Assembly "M3" at 11057.9,1768.1 h40 r90
J1: Top Overlay "TDO" at 6231.73,3403.72 h25; Top Overlay "RTCK" at 6231.73,3453.72 h25; Top Overlay "TDI" at 6231.73,3503.72 h25; Top Overlay "nTRST" at 6231.73,3553.72 h25; Top Overlay "RESET" at 6231.73,3603.72 h25; Top Overlay "TCK" at 5955.09,3453.72 h25; Top Overlay "GND" at 5955.09,3503.72 h25; Top Overlay "TMS" at 5955.09,3553.72 h25; Top Overlay "VCC" at 5955.09,3603.72 h25
J32: Top Overlay "1" at 12177.21,725.89 h65 r90; Board Outline "INSERT WIRES ON THIS SIDE" at 12242.41,856.63 h31.5 r90
J39: Top Overlay "*" at 2850.71,4120 h65 r180
U1: Top Overlay "A" at 3920.24,1151.5 h30; Top Overlay "1" at 3952.49,1157.75 h30; Top Overlay "T" at 3932.76,539.95 h30; Top Overlay "9" at 4226.22,1160.12 h30
U5: Top Overlay "H" at 5839.23,2672.15 h30 r180; Top Overlay "1" at 5723.99,2349 h30 r180; Top Overlay "A" at 5839.23,2451.68 h30 r180; Top Overlay "6" at 5571.51,2349 h30 r180
U6: Bottom Overlay "VOUT+" at 8948.36,2142.73 h25 r90; Bottom Overlay "SENSE+" at 9098.36,2167.72 h25 r90; Bottom Overlay "TRIM" at 9248.36,2113.57 h25 r90; Bottom Overlay "SENSE-" at 9398.36,2167.72 h25 r90; Bottom Overlay "VOUT-" at 9548.36,2142.73 h25 r90; Bottom Overlay "VIN-" at 9548.36,3776.1 h25 r90; Bottom Overlay "ON/OFF" at 9248.36,3776.1 h25 r90; Bottom Overlay "VIN+" at 8948.36,3776.1 h25 r90
U37: Bottom Overlay "VOUT+" at 10096.58,2142.73 h25 r90; Bottom Overlay "SENSE+" at 10246.58,2167.72 h25 r90; Bottom Overlay "TRIM" at 10396.58,2113.57 h25 r90; Bottom Overlay "SENSE-" at 10546.58,2167.72 h25 r90; Bottom Overlay "VOUT-" at 10696.58,2142.73 h25 r90; Bottom Overlay "VIN-" at 10696.58,3776.1 h25 r90; Bottom Overlay "ON/OFF" at 10396.58,3776.1 h25 r90; Bottom Overlay "VIN+" at 10096.58,3776.1 h25 r90